# Altium PCB Carte_Mere_light.PcbDoc (part 1 of 3) (continued)
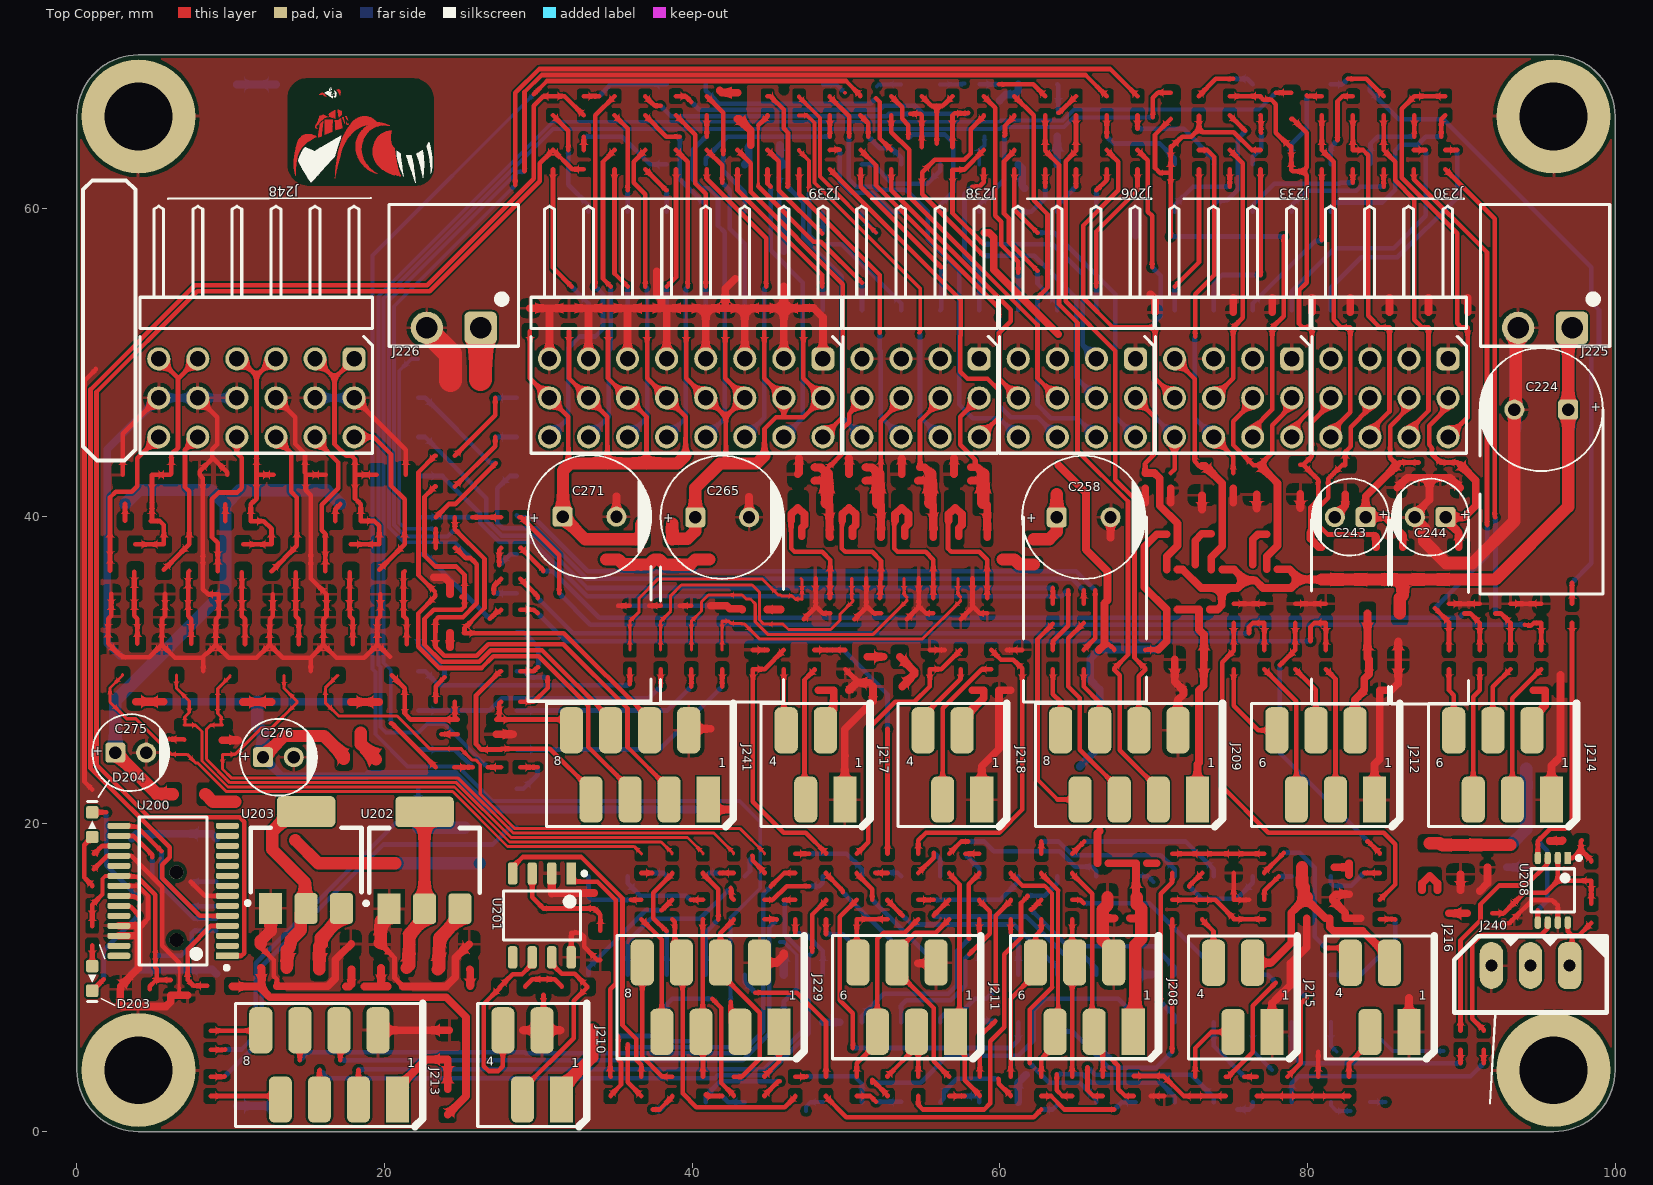
[diagram p0: Top Copper view]
## Classes and differential pairs (continued)
net class DE0: ANALOG_IN0 ANALOG_IN1 ANALOG_IN2 ANALOG_IN3 ANALOG_IN4 ANALOG_IN5 ANALOG_IN6 ANALOG_IN7 GND GPIO_00_D3 GPIO_0_IN0_A8 GPIO_0_IN1_B8 GPIO_01_C3 GPIO_1_IN0_T9 GPIO_1_IN1_R9 GPIO_02_A2 GPIO_2_IN0_E15 GPIO_2_IN1_E16 GPIO_2_IN2_M16 GPIO_03_A3 GPIO_04_B3 GPIO_05_B4 GPIO_06_A4 GPIO_07_B5 GPIO_08_A5 GPIO_09_D5 GPIO_010_B6 GPIO_10_F13 GPIO_011_A6 GPIO_11_T15 GPIO_012_B7 GPIO_12_T14 GPIO_013_D6 GPIO_13_T13 GPIO_014_A7 GPIO_14_R13 GPIO_015_C6 GPIO_15_T12 GPIO_016_C8 GPIO_16_R12 GPIO_017_E6 GPIO_018_E7 GPIO_18_T10 GPIO_019_D8 GPIO_19_R11 GPIO_20_A14 GPIO_020_E8 GPIO_21_B16 GPIO_021_F8 GPIO_22_C14 GPIO_022_F9 GPIO_23_C16 GPIO_023_E9 GPIO_024_C9 GPIO_24_C15 GPIO_025_D9 GPIO_25_D16 GPIO_26_D15 GPIO_026_E11 GPIO_27_D14 GPIO_027_E10 GPIO_028_C11 GPIO_28_F15 GPIO_029_B11 GPIO_29_F16 GPIO_030_A12 GPIO_031_D11 GPIO_032_D12 GPIO_033_B12 GPIO_110_P11 GPIO_111_R10 GPIO_112_N12 GPIO_113_P9 GPIO_114_N9 GPIO_115_N11 GPIO_116_L16 GPIO_117_K16 GPIO_118_R16 GPIO_119_L15 GPIO_120_P15 GPIO_121_P16 GPIO_122_R14 GPIO_123_N16 GPIO_124_N15 GPIO_125_P14 GPIO_126_L14 GPIO_127_N14 GPIO_128_M10 GPIO_129_L13 GPIO_130_J16 GPIO_131_K15 GPIO_132_J13 GPIO_133_J14 GPIO_210_F14 GPIO_211_G16 GPIO_212_G15 IRQ_FPGA VCC_3V3_1 VCC_3V3_2 VCC_3V3_3 VCC_5V_1 VCC_5V_2
net class CLAVIER: AU_STATUS GND GPIO_1_IN0_T9 GPIO_1_IN1_R9 GPIO_10_F13 GPIO_11_T15 LED_CLAVIER NRST NRST_NUCLEO PA12 PC5 PC6 PC8 PC9 SW_1 SW_2 SW_3 SW_TIRETTE
net class CAPT_INT: 3L_CAP CAP_#A CAP_#B CAP_#C CaptTOR_7 CaptTOR_8 CaptTOR_9 CaptTOR_10 CaptTOR_11 CaptTOR_12 GND GPIO_12_T14 GPIO_13_T13 GPIO_14_R13 GPIO_15_T12 GPIO_16_R12 GPIO_211_G16 NetC278_1 NetC281_1 NetC282_1 NetC284_1 NetC287_1 NetC288_1 SigCAPT_7 SigCAPT_8 SigCAPT_9 SigCAPT_10 SigCAPT_11 SigCAPT_12
net class CAPT_EXT: 3L 3L_CAP CaptTOR_1 CaptTOR_2 CaptTOR_3 CaptTOR_4 CaptTOR_5 CaptTOR_6 GND GPIO_2_IN0_E15 GPIO_2_IN1_E16 GPIO_2_IN2_M16 GPIO_20_A14 GPIO_210_F14 GPIO_212_G15 PA0 PA1
net class CAN: 5L CAN_Rx CAN_Tx CANH CANL GND NetC213_1 NetU201_5 PB8 PB9
net class ALIM_OUT: 5L 5L_EXT_1 5L_EXT_2 5L_EXT_3 5L_EXT_4 EXT_IO_1 EXT_IO_2 EXT_IO_3 EXT_IO_4 EXT_IO_5 EXT_IO_6 EXT_IO_7 EXT_IO_8 EXT_IO_9 EXT_IO_10 GND
net class ALIM_IN: 5L 5P GND
net class 3L: 3L 5L GND NetC228_1 NetC229_1
net class 3L_ADC: 3L_ADC 5L GND NetC225_1 NetC226_1
differential pair USB: +USB_P -USB_N

## Components (designator, comment, footprint, x,y, rotation, side; value= is the part's Value field where it differs from the comment)
C224 "470 uF" WCAP-ATG8_8x11.5x3.5x0.5 95.2,46.94 r0 top locked
C243 "100 uF" WCAP-ATG8_5x11x2x0.5 82.78,39.95 r0 top locked
C244 "100 uF" WCAP-ATG8_5x11x2x0.5 87.98,39.95 r0 top locked
C258 "470 uF" WCAP-ATG8_8x11.5x3.5x0.5 65.45,39.94 r180 top locked
C265 "470 uF" WCAP-ATG8_8x11.5x3.5x0.5 41.95,39.94 r180 top locked
C271 "470 uF" WCAP-ATG8_8x11.5x3.5x0.5 33.326,39.98 r180 top locked
C275 "10 uF" WCAP-ATG8_5x11x2x0.5 3.5,24.64 r180 top locked
C276 "10 uF" WCAP-ATG8_5x11x2x0.5 13.1,24.34 r180 top locked
D203 "150060YS75000" SMCW_0603 0.995,9.959 r90 top value=Jaune
D204 "150060YS75000" SMCW_0603 0.995,19.959 r270 top value=Jaune
H200 "9774100960" 9774100960 96,4 r0 bottom locked value=3.3x10
H201 "9774100960" 9774100960 96,66 r0 bottom locked value=3.3x10
H202 "9774100960" 9774100960 4,4 r0 bottom locked value=3.3x10
H203 "9774100960" 9774100960 4,66 r0 bottom locked value=3.3x10
J200 "610004243021" 610004243021_NO-HOLE 92.95,20.4 r180 bottom locked value=4
J201 "610020243021" 610020243021_NO-HOLE 70.09,13.41 r0 bottom locked value=20
J202 "610020243021" 610020243021_NO-HOLE 70.09,56.59 r180 bottom locked value=20
J203 "610020243021" 610020243021_NO-HOLE 44.69,13.41 r0 bottom locked value=20
J204 "610020243021" 610020243021_NO-HOLE 44.69,56.59 r180 bottom locked value=20
J205 "610026243021" 610026243021_NO-HOLE 25.386,35 r270 bottom locked value=26
J206 "TSW-104-08-F-T-RA" TSW-104-08-F-T-RA 65.01,47.7 r180 top locked
J207 "65100516121" 65100516121 5.195,14.659 r90 bottom locked value=5
J208 "690367280676" 690367280676 65.5,8.74 r0 top locked value=6
J209 "690367280876" 690367280876 68.4,23.84 r0 top locked value=8
J210 "690367280476" 690367280476 29.6,4.34 r0 top locked value=4
J211 "690367280676" 690367280676 53.945,8.74 r0 top locked value=6
J212 "690367280676" 690367280676 81.184,23.84 r0 top locked value=6
J213 "690367280876" 690367280876 16.4,4.34 r0 top locked value=8
J214 "690367280676" 690367280676 92.684,23.84 r0 top locked value=6
J215 "690367280476" 690367280476 75.795,8.73 r0 top locked value=4
J216 "690367280476" 690367280476 84.695,8.73 r0 top locked value=4
J217 "690367280476" 690367280476 48.019,23.84 r0 top locked value=4
J218 "690367280476" 690367280476 56.919,23.84 r0 top locked value=4
J219 "61000421821" 61000421821 11.67,65.48 r180 bottom locked value=4
J220 "61000421821" 61000421821 11.67,4.52 r180 bottom locked value=4
J221 "61004021821" 61004021821 62.47,65.48 r0 bottom locked value=40
J222 "61004021821" 61004021821 62.47,4.52 r0 bottom locked value=40
J225 "691322110002" 691322110002 95.45,55.66 r180 top locked value=2
J226 "691322110002" 691322110002 24.5,55.66 r180 top locked value=2
J229 "690367280876" 690367280876 41.2,8.74 r0 top locked value=8
J230 "TSW-104-08-F-T-RA" TSW-104-08-F-T-RA 85.33,47.7 r180 top locked
J233 "TSW-104-08-F-T-RA" TSW-104-08-F-T-RA 75.17,47.7 r180 top locked
J238 "TSW-104-08-F-T-RA" TSW-104-08-F-T-RA 54.85,47.7 r180 top locked
J239 "TSW-104-08-F-T-RA" TSW-108-08-F-T-RA 39.61,47.7 r180 top locked
J240 "22-03-5035" 20-03-5035 94.5,10.16 r0 top locked
J241 "690367280876" 690367280876 36.6,23.84 r0 top locked value=8
J248 "TSW-106-08-F-T-RA" TSW-106-08-F-T-RA 11.67,47.7 r180 top locked
U200 "FT232RL" SSOP28 6.255,15.655 r180 top
U201 "MCP2551-I/SN" SOIC127P600X175-8N 30.235,14.055 r270 top
U202 "ZLDO1117G33TA" SOT223 22.6,17.64 r90 top locked value=3.3V
U203 "ZLDO1117G33TA" SOT223 14.9,17.66 r90 top locked value=3.3V
U208 "MAX485CUA+" MSOP-8 95.95,15.69 r270 top

## Footprints (in the part's own frame and the unit in brackets; to place one, negate y for a bottom-side part, rotate by r counter-clockwise, add the part's x,y. Pads: shape width x height; smd on the part's side, far side on the other; paste and mask are expansions set on the pad)
20-03-5035 [mil]
  rrect70% 60x120 hole 31.5: 1(100,25)
  oval 60x120 hole 31.5: 2(0,25) 3(-100,25)
  silkscreen extent -195,-95 195,100, body extent -195,-96 194,97, height 234
9774100960 [mm] "SMT Steel Spacer Internal hole diameter 3.3mm non stop, height 10mm"
  round 7.4 hole 4.4: 1(0,0)
  body extent -3,-3 3,3, height 10
61000421821 [mm] "Socket Header, Pitch 2.54 mm, SMT, Vertical, dual row, 4p"
  rect 1x1.8 smd: 1(1.27,-2.6)
  rrect30% 1x1.8 smd: 2(1.27,2.6) 3(-1.27,-2.6) 4(-1.27,2.6)
  silkscreen extent -2.87,-2.62 2.87,2.62, body extent -2.54,-3.35 2.54,3.35, height 8.5
61004021821 [mm] "Socket Header, Pitch 2.54 mm, SMT, Vertical, dual row, 40p"
  rect 1x1.8 smd: 1(-24.13,2.6)
  rrect30% 1x1.8 smd: 2(-24.13,-2.6) 3(-21.59,2.6) 4(-21.59,-2.6) 5(-19.05,2.6) 6(-19.05,-2.6) 7(-16.51,2.6) 8(-16.51,-2.6) 9(-13.97,2.6) 10(-13.97,-2.6) 11(-11.43,2.6) 12(-11.43,-2.6) 13(-8.89,2.6) 14(-8.89,-2.6) 15(-6.35,2.6) 16(-6.35,-2.6) 17(-3.81,2.6) 18(-3.81,-2.6) 19(-1.27,2.6) 20(-1.27,-2.6) 21(1.27,2.6) 22(1.27,-2.6) 23(3.81,2.6) 24(3.81,-2.6) 25(6.35,2.6) 26(6.35,-2.6) 27(8.89,2.6) 28(8.89,-2.6) 29(11.43,2.6) 30(11.43,-2.6) 31(13.97,2.6) 32(13.97,-2.6) 33(16.51,2.6) 34(16.51,-2.6) 35(19.05,2.6) 36(19.05,-2.6) 37(21.59,2.6) 38(21.59,-2.6) 39(24.13,2.6) 40(24.13,-2.6)
  silkscreen extent -25.73,-2.62 25.73,2.62, body extent -25.4,-3.35 25.4,3.35, height 7.5
65100516121 [mm] "Mini USB 2.0 Type B SMT Horizontal 5 Contacts"
  rrect30% 0.5x2.5 smd: 1(-1.6,3.875)
  rrect70% 0.5x2.5 smd: 2(-0.8,3.875) 3(0,3.875) 4(0.8,3.875) 5(1.6,3.875)
  round 0.9 hole 0.9 unplated: MH1(-2.2,1.275) MH2(2.2,1.275)
  rrect50% 2x2.5 smd: S1(-4.4,3.875) S2(4.4,3.875) S3(4.4,-1.625) S4(-4.4,-1.625)
  silkscreen extent -3.85,-4.62 3.85,4.62, body extent -4.8,-4.62 4.8,4.63, height 3.92
610004243021_NO-HOLE [mm] "Socket Header, Pitch 2.54 mm, SMT, Vertical, dual row, 4p"
  rect 0.9x1.8 smd: 1(-1.27,-3.2)
  rrect30% 0.9x1.8 smd: 2(-1.27,3.2) 3(1.27,-3.2) 4(1.27,3.2)
  silkscreen extent -2.69,-2.57 2.69,2.58, body extent -2.54,-3.6 2.54,3.6, height 3.7
610020243021_NO-HOLE [mm] "Socket Header, Pitch 2.54 mm, SMT, Vertical, dual row, 20p"
  rect 0.9x1.8 smd: 1(-11.43,-3.2)
  rrect30% 0.9x1.8 smd: 2(-11.43,3.2) 3(-8.89,-3.2) 4(-8.89,3.2) 5(-6.35,-3.2) 6(-6.35,3.2) 7(-3.81,-3.2) 8(-3.81,3.2) 9(-1.27,-3.2) 10(-1.27,3.2) 11(1.27,-3.2) 12(1.27,3.2) 13(3.81,-3.2) 14(3.81,3.2) 15(6.35,-3.2) 16(6.35,3.2) 17(8.89,-3.2) 18(8.89,3.2) 19(11.43,-3.2) 20(11.43,3.2)
  silkscreen extent -12.85,-2.57 12.85,2.58, body extent -12.7,-3.6 12.7,3.6, height 3.7
610026243021_NO-HOLE [mm] "Socket Header, Pitch 2.54 mm, SMT, Vertical, dual row, 26p"
  rect 0.9x1.8 smd: 1(-15.24,-3.2)
  rrect30% 0.9x1.8 smd: 2(-15.24,3.2) 3(-12.7,-3.2) 4(-12.7,3.2) 5(-10.16,-3.2) 6(-10.16,3.2) 7(-7.62,-3.2) 8(-7.62,3.2) 9(-5.08,-3.2) 10(-5.08,3.2) 11(-2.54,-3.2) 12(-2.54,3.2) 13(0,-3.2) 14(0,3.2) 15(2.54,-3.2) 16(2.54,3.2) 17(5.08,-3.2) 18(5.08,3.2) 19(7.62,-3.2) 20(7.62,3.2) 21(10.16,-3.2) 22(10.16,3.2) 23(12.7,-3.2) 24(12.7,3.2) 25(15.24,-3.2) 26(15.24,3.2)
  silkscreen extent -16.66,-2.57 16.66,2.58, body extent -16.51,-3.6 16.51,3.6, height 3.7
690367280476 [mm] "4 pins, SMT, straight, without Latch"
  rect 1.5x3 smd: 1(1.905,-2.25)
  rrect50% 1.5x3 smd: 2(0.635,2.25) 3(-0.635,-2.25) 4(-1.905,2.25)
  silkscreen extent -3.54,-4 3.54,4, body extent -3.54,-5 3.54,3.5, height 5.7
690367280676 [mm] "6 pins, SMT, straight, without Latch"
  rect 1.5x3 smd: 1(3.175,-2.25)
  rrect50% 1.5x3 smd: 2(1.905,2.25) 3(0.635,-2.25) 4(-0.635,2.25) 5(-1.905,-2.25) 6(-3.175,2.25)
  silkscreen extent -4.81,-4 4.81,4, body extent -4.81,-5 4.81,3.5, height 5.75
690367280876 [mm] "8 pins, SMT, straight, without Latch"
  rect 1.5x3 smd: 1(4.445,-2.25)
  rrect50% 1.5x3 smd: 2(3.175,2.25) 3(1.905,-2.25) 4(0.635,2.25) 5(-0.635,-2.25) 6(-1.905,2.25) 7(-3.175,-2.25) 8(-4.445,2.25)
  silkscreen extent -6.08,-4 6.08,4, body extent -6.08,-5 6.08,3.5, height 5.75
691322110002 [mm] "Horizontal PCB Header, pitch 3.5mm, 02p"
  rrect30% 2.1x2.1 hole 1.4: 1(-1.75,3.4)
  round 2.1 hole 1.4: 2(1.75,3.4)
  silkscreen extent -4.2,-4.6 4.2,4.6, body extent -4.2,-4.6 4.2,4.6, height 7.3
MSOP-8 [mm]
  rrect15% 0.8x0.4 smd: 1(-2.1,0.975)
  rrect70% 0.8x0.4 smd: 2(-2.1,0.325) 3(-2.1,-0.325) 4(-2.1,-0.975) 5(2.1,-0.975) 6(2.1,-0.325) 7(2.1,0.325) 8(2.1,0.975)
  silkscreen extent -2.23,-1.4 1.4,1.83, body extent -2.46,-1.5 2.46,1.5, height 1.08
SMCW_0603 [mm] "Chip LED, 2-Leads, Body 1.6x0.8mm, IPC Medium Density"
  rrect30% 0.8x0.8 smd: 1(-0.8,0) 2(0.8,0)
  silkscreen extent -1.5,-0.3 0.25,0.3, body extent -0.8,-0.4 0.8,0.4, height 0.7
SOIC127P600X175-8N [mm] "SOIC, 8-Leads, Body 4,90x3,90mm, Pitch 1,27mm, IPC Medium Density"
  rrect15% 1.45x0.6 smd: 1(-2.725,1.905)
  rrect50% 1.45x0.6 smd: 2(-2.725,0.635) 3(-2.725,-0.635) 4(-2.725,-1.905) 5(2.725,-1.905) 6(2.725,-0.635) 7(2.725,0.635) 8(2.725,1.905)
  silkscreen extent -2.85,-2.5 1.6,2.88, body extent -3,-2.54 3,2.54, height 1.7
SOT223 [mm] "SOT223, 4-Leads, Body 6,7x7,3mm (max), Pitch 2,30mm, IPC Medium Density"
  rect 2x1.5 smd: 1(-3.15,2.3)
  rrect30% 2x1.5 smd: 2(-3.15,0) 3(-3.15,-2.3)
  rrect30% 2x3.8 smd: 4(3.15,0)
  silkscreen extent -2.92,-3.6 2.1,3.92, body extent -3.65,-3.35 3.65,3.35, height 1.82
SSOP28 [mm]
  rrect15% 1.5x0.4 smd: 1(-3.525,4.225)
  rrect70% 1.5x0.4 smd: 2(-3.525,3.575) 3(-3.525,2.925) 4(-3.525,2.275) 5(-3.525,1.625) 6(-3.525,0.975) 7(-3.525,0.325) 8(-3.525,-0.325) 9(-3.525,-0.975) 10(-3.525,-1.625) 11(-3.525,-2.275) 12(-3.525,-2.925) 13(-3.525,-3.575) 14(-3.525,-4.225) 15(3.525,-4.225) 16(3.525,-3.575) 17(3.525,-2.925) 18(3.525,-2.275) 19(3.525,-1.625) 20(3.525,-0.975) 21(3.525,-0.325) 22(3.525,0.325) 23(3.525,0.975) 24(3.525,1.625) 25(3.525,2.275) 26(3.525,2.925) 27(3.525,3.575) 28(3.525,4.225)
  silkscreen extent -3.61,-4.8 2.2,5.13, body extent -3.88,-5.17 3.88,5.17, height 2.11
TSW-104-08-F-T-RA [mm]
  rrect50% 1.5x1.5 hole 1: 1(-3.81,-2.54)
  round 1.5 hole 1: 2(-3.81,0) 3(-3.81,2.54) 4(-1.27,-2.54) 5(-1.27,0) 6(-1.27,2.54) 7(1.27,-2.54) 8(1.27,0) 9(1.27,2.54) 10(3.81,-2.54) 11(3.81,0) 12(3.81,2.54)
  silkscreen extent -5,-12.47 5.04,3.6, body extent -5.08,-12.43 5.08,2.87, height 0.6
TSW-106-08-F-T-RA [mm]
  rrect50% 1.5x1.5 hole 1: 1(-6.35,-2.54)
  round 1.5 hole 1: 2(-6.35,0) 3(-6.35,2.54) 4(-3.81,-2.54) 5(-3.81,0) 6(-3.81,2.54) 7(-1.27,-2.54) 8(-1.27,0) 9(-1.27,2.54) 10(1.27,-2.54) 11(1.27,0) 12(1.27,2.54) 13(3.81,-2.54) 14(3.81,0) 15(3.81,2.54) 16(6.35,-2.54) 17(6.35,0) 18(6.35,2.54)
  silkscreen extent -7.56,-12.47 7.56,3.6, body extent -7.62,-12.43 7.62,2.87, height 0.6
TSW-108-08-F-T-RA [mm]
  rrect50% 1.5x1.5 hole 1: 1(-8.89,-2.54)
  round 1.5 hole 1: 2(-8.89,0) 3(-8.89,2.54) 4(-6.35,-2.54) 5(-6.35,0) 6(-6.35,2.54) 7(-3.81,-2.54) 8(-3.81,0) 9(-3.81,2.54) 10(-1.27,-2.54) 11(-1.27,0) 12(-1.27,2.54) 13(1.27,-2.54) 14(1.27,0) 15(1.27,2.54) 16(3.81,-2.54) 17(3.81,0) 18(3.81,2.54) 19(6.35,-2.54) 20(6.35,0) 21(6.35,2.54) 22(8.89,-2.54) 23(8.89,0) 24(8.89,2.54)
  silkscreen extent -10.1,-12.47 10.1,3.6, body extent -10.16,-12.43 10.16,2.87, height 0.6
WCAP-ATG8_5x11x2x0.5 [mm] "Polarized capacitors, Aluminum Electrolytic Capacitors, 2-Leads, Body 5x11x2x0.5"
  rrect30% 1.3x1.3 hole 0.8: 1(1,0)
  round 1.3 hole 0.8: 2(-1,0)
  silkscreen extent -2.51,-2.5 2.5,2.5, body extent -2.49,-2.5 2.48,2.49, height 11.11
WCAP-ATG8_8x11.5x3.5x0.5 [mm] "Polarized capacitors, Aluminum Electrolytic Capacitors, 2-Leads, Body 8x11.5x3.5x0.5"
  rrect30% 1.3x1.3 hole 0.8: 1(1.75,0)
  round 1.3 hole 0.8: 2(-1.75,0)
  silkscreen extent -4,-4 4,4, body extent -3.99,-4 3.97,3.98, height 11.61

## Part data
C224 C258 C265 C271: library part "WCAP-ATG8, 860010374012", "CAP Alu 470 UF 20% 16 V", Manufacturer="Wurth Elektronik", Manufacturer Part Number=860010374012, RatedVoltage=16V, ComponentLink1Description=Datasheet, ComponentLink1URL=http://katalog.we-online.de/pbs/datasheet/860010374012.pdf, Size=8mmx11.5mm
C243 C244: library part "WCAP-ATG8, 860010372006", "CAP Alu 100 UF 20% 16 V", Manufacturer="Wurth Elektronik", Manufacturer Part Number=860010372006, RatedVoltage=16V, ComponentLink1Description=Datasheet, ComponentLink1URL=http://katalog.we-online.de/pbs/datasheet/860010372006.pdf, Size=5mmx11mm
C275 C276: library part "WCAP-ATG8, 860010672009", "CAP Alu 10 UF 20% 50 V", Manufacturer="Wurth Elektronik", Manufacturer Part Number=860010672009, RatedVoltage=50V, ComponentLink1Description=Datasheet, ComponentLink1URL=http://katalog.we-online.de/pbs/datasheet/860010672009.pdf, Size=5mmx11mm
D203 D204: library part "WL-SMCW 0603  150060YS75000", "SMD mono-color Chip LED, WL-SMCW, Yellow", Manufacturer="Wurth Elektronik", SUPPLIER PART NUMBER 1=2322074, ComponentLink1Description=Datasheet, ComponentLink1URL=http://katalog.we-online.com/led/datasheet/150060YS75000.pdf, Manufacturer Part Number=150060YS75000, SUPPLIER 1=Farnell, SUPPLIER 2=JLCPCB, Supplier Footprint 2=LED_0603, SUPPLIER PART NUMBER 2=C72038
H200 H201 H202 H203: "WA-SMST SMT Steel Spacer with through hole, OD6mm, ID3.3xL10mm", Manufacturer="Wurth Elektronik", SUPPLIER PART NUMBER 1=2497637, ComponentLink1Description=Manufacturer, ComponentLink1URL=https://www.we-online.com/catalog/en/SMST_SMD_STEEL_SPACER_3_3_INTERNAL_NON_STOP/#9774100960, ComponentLink2Description=Datasheet, ComponentLink2URL=https://www.we-online.com/catalog/datasheet/9774100960.pdf, Manufacturer Part Number=9774100960, SUPPLIER 1=Farnell
J200: "WR-PHD Socket Header, SMT, pitch 2.54mm, Dual Row, Vertical, 4p", Manufacturer="Wurth Elektronik", SUPPLIER PART NUMBER 1=2827931, ComponentLink1Description=Datasheet, ComponentLink1URL=https://www.we-online.com/catalog/datasheet/610004243021.pdf, Manufacturer Part Number=610004243021, SUPPLIER 1=Farnell
J201 J202 J203 J204: "WR-PHD Socket Header, SMT, pitch 2.54mm, Dual Row, Vertical, 20p", Manufacturer="Wurth Elektronik", SUPPLIER PART NUMBER 1=2827937, ComponentLink1Description=Datasheet, ComponentLink1URL=https://www.we-online.com/catalog/datasheet/610020243021.pdf, Manufacturer Part Number=610020243021, SUPPLIER 1=Farnell
J205: "WR-PHD Socket Header, SMT, pitch 2.54mm, Dual Row, Vertical, 26p", Manufacturer="Wurth Elektronik", SUPPLIER PART NUMBER 1=2827940, ComponentLink1Description=Datasheet, ComponentLink1URL=https://www.we-online.com/catalog/datasheet/610026243021.pdf, Manufacturer Part Number=610026243021, SUPPLIER 1=Farnell
J206 J230 J233 J238: "CONN HEADER R/A 3L x 4POS 2.54MM", Manufacturer=SAMTEC, SUPPLIER PART NUMBER 1=2053041, ComponentLink1Description=Datasheet, ComponentLink1URL=http://cloud.samtec.com/catalog_english/TSW_TH.PDF, Manufacturer Part Number=TSW-104-08-F-T-RA, SUPPLIER 1=Farnell
J207: "Mini USB 2.0 Type B, Receptacle, Horizontal, SMT", Manufacturer="Wurth Elektronik", SUPPLIER PART NUMBER 1=1642036, ComponentLink1Description=Manufacturer, ComponentLink1URL=https://www.we-online.com/catalog/en/COM_SMT_MINI_TYPE_B_HORIZONTAL/#65100516121, ComponentLink2Description=Datasheet, ComponentLink2URL=https://katalog.we-online.com/em/datasheet/65100516121.pdf, Manufacturer Part Number=65100516121, SUPPLIER 1=Farnell
J208 J211 J212 J214: "WR-MM 6p Female SMT Connector with Polarization", Manufacturer="Wurth Electronics Inc.", SUPPLIER PART NUMBER 1=1641849, ComponentLink1Description=Datasheet, ComponentLink1URL=http://katalog.we-online.de/em/datasheet/69036728xx76.pdf, Manufacturer Part Number=690367280676, SUPPLIER 1=Farnell
J209 J213 J229 J241: "WR-MM 8p Female SMT Connector with Polarization", Manufacturer="Wurth Electronics Inc.", SUPPLIER PART NUMBER 1=1641850, ComponentLink1Description=Datasheet, ComponentLink1URL=http://katalog.we-online.de/em/datasheet/69036728xx76.pdf, Manufacturer Part Number=690367280876, SUPPLIER 1=Farnell
J210 J215 J216 J217 J218: "WR-MM 4p Female SMT Connector with Polarization", Manufacturer="Wurth Electronics Inc.", SUPPLIER PART NUMBER 1=1641848, ComponentLink1Description=Datasheet, ComponentLink1URL=http://katalog.we-online.de/em/datasheet/69036728xx76.pdf, Manufacturer Part Number=690367280476, SUPPLIER 1=Farnell
J219 J220: "WR-PHD Socket Header, SMT, pitch 2.54mm, Dual Row, Vertical, 4p", Manufacturer="Wurth Elektronik", SUPPLIER PART NUMBER 1=2827865, ComponentLink1Description=Datasheet, ComponentLink1URL=https://www.we-online.com/catalog/datasheet/61000421821.pdf, Manufacturer Part Number=61000421821, SUPPLIER 1=Farnell
J221 J222: "WR-PHD Socket Header, SMT, pitch 2.54mm, Dual Row, Vertical, 40p", Manufacturer="Wurth Elektronik", SUPPLIER PART NUMBER 1=2827882, ComponentLink1Description=Datasheet, ComponentLink1URL=https://www.we-online.com/catalog/datasheet/61004021821.pdf, Manufacturer Part Number=61004021821, SUPPLIER 1=Farnell
J225 J226: "WR-TBL 2p Series 3221 - 3.50 mm Horizontal PCB Header", Manufacturer="Wurth Electronics Inc.", SUPPLIER PART NUMBER 1=1841315, ComponentLink1Description=Datasheet, ComponentLink1URL=http://katalog.we-online.de/em/datasheet/6913221100xx.pdf, Manufacturer Part Number=691322110002, SUPPLIER 1=Farnell
J239: library part TSW-108-08-F-T-RA, "CONN HEADER R/A 3L x 8POS 2.54MM", Manufacturer=SAMTEC, SUPPLIER PART NUMBER 1=2053046, ComponentLink1Description=Datasheet, ComponentLink1URL=http://cloud.samtec.com/catalog_english/TSW_TH.PDF, Manufacturer Part Number=TSW-104-08-F-T-RA, SUPPLIER 1=Farnell
J240: library part 20-03-5035, "CONN HEADER VERT 3POS 2.5MM", Manufacturer=MOLEX, SUPPLIER PART NUMBER 1=9979620, ComponentLink1Description=Datasheet, ComponentLink1URL=http://www.farnell.com/datasheets/1801024.pdf, ComponentLink2Description=Drawings, ComponentLink2URL="http://www.farnell.com/cad/495071.pdf  http://www.farnell.com/cad/1533907.pdf  http://www.farnell.com/cad/1533907.pdf", Manufacturer Part Number=22-03-5035, SUPPLIER 1=Farnell
J248: "CONN HEADER R/A 3L x 6POS 2.54MM", Manufacturer=SAMTEC, SUPPLIER PART NUMBER 1=2053043, ComponentLink1Description=Datasheet, ComponentLink1URL=http://cloud.samtec.com/catalog_english/TSW_TH.PDF, Manufacturer Part Number=TSW-106-08-F-T-RA, SUPPLIER 1=Farnell
U200: "USB VERS UART CMS SSOP28 232", Manufacturer=FTDI, SUPPLIER PART NUMBER 1=1146032, ComponentLink1Description=Datasheet, ComponentLink1URL=http://www.farnell.com/datasheets/2007793.pdf, Manufacturer Part Number=FT232RL, SUPPLIER 1=Farnell, SUPPLIER 2=JLCPCB, Supplier Footprint 2=SSOP-28_5.3x10.2x0.65P, SUPPLIER PART NUMBER 2=C8690
U201: "IC TRANSCEIVER CAN HI-SPD 8-SOIC", Manufacturer="Microchip Technology", SUPPLIER PART NUMBER 1=9758569, ComponentLink1Description=Datasheet, ComponentLink1URL=http://www.farnell.com/datasheets/657417.pdf, Manufacturer Part Number=MCP2551-I/SN, SUPPLIER 1=Farnell, SUPPLIER 2=JLCPCB, Supplier Footprint 2=SOIC-8_3.9x4.9x1.27P, SUPPLIER PART NUMBER 2=C7439
U202 U203: "LDO 3.3V 1A SOT223-3", Manufacturer="Diodes Inc.", SUPPLIER PART NUMBER 1=1825376, ComponentLink1Description=Datasheet, ComponentLink1URL=http://www.farnell.com/datasheets/1769101.pdf, ComponentLink2Description=Manufacturer, ComponentLink2URL=https://www.diodes.com/part/view/ZLDO1117, Manufacturer Part Number=ZLDO1117G33TA, SUPPLIER 1=Farnell, SUPPLIER 2=JLCPCB, Supplier Footprint 2=SOT-223, SUPPLIER PART NUMBER 2=C6186, Type=LDO
U208: "IC TXRX RS485/RS422 8-UMAX", Manufacturer="Maxim Integrated", SUPPLIER PART NUMBER 1=2511735, ComponentLink1Description=Datasheet, ComponentLink1URL=http://datasheets.maximintegrated.com/en/ds/MAX1487-MAX491.pdf, Manufacturer Part Number=MAX485CUA+, SUPPLIER 1=Farnell

## Nets (pads, with @x,y where several pads share a name; then routed paths per layer and width w, separated by ;. In a path a pad name is that pad's centre, name@x,y a point inside that pad or via, vN(x,y) a via of type N, cw(c..) or ccw(c..) an arc to the next point about the centre after c; other vN are vias at no path point)
3L:  | length 79.3
  Top Copper w0.3: 54.925,67.315 55.55,66.69 55.9,66.69 ; 55.9,64.24 55.9,66.69 ; 56.925,67.315 56.3,66.69 55.9,66.69 ; 66.8,31.665 67.099,31.665 67.224,31.54 67.275,31.54 67.45,31.365 67.45,31.315 ; 69.45,31.315 69.475,31.34 70.3,31.34
  Top Copper w0.5: 10.12,9.461 10.141,9.44 11,9.44 11.986,9.44 12.007,9.461 ; 11.975,10.661 12.007,10.629 12.007,9.461 ; 24.1,1.115 25.3,2.315 25.3,7.44 24,8.74 12.538,8.74 12.007,9.271 12.007,9.461 ; 59,58.44 59.3,58.44 59.6,58.14 59.6,56.04 63.8,51.84 ; 63.814,43.326 65.6,41.54 65.6,37.84 67,36.44 67,34.54 66.8,34.34 66.8,31.665 66.45,31.315 ; 66.35,17.44 66.35,19.39 66.5,19.54 ; 70.3,31.34 70.85,31.89 70.85,33.94 70.85,33.944 69.4,35.394 69.4,38.034 70.206,38.84 70.85,38.84
  Top Copper w0.8: 18.45,25.94 18.45,25.19 19.45,24.19
  Bottom Copper w0.5: 65.2,23.74 66.5,25.04 66.5,28.74 65.873,29.367 65.873,30.738 66.45,31.315 66.475,31.34 70.3,31.34
3L_ADC:  | length 12.5
  Top Copper w0.3: 6,25.54 6.032,25.507 6.938,25.507 6.971,25.475 ; 23.705,25.84 24.755,25.84
  Top Copper w0.5: 18.7,9.44 19.4,9.44 20.2,9.44 20.16,9.48 19.775,9.48 19.775,10.64 ; 24.25,31.497 24.25,32.44 ; 44.877,33.942 45.748,33.942 45.75,33.94 ; 72.7,36.845 72.7,38.423 73.138,38.861 73.75,38.861 ; 76.45,36.87 76.45,38.511 76.783,38.844 77.352,38.844
3L_CAP: C276.1 J241.1 | length 63.6
  Top Copper w0.5: 3.825,27.95 4.73,27.95 5.655,27.95 ; 10.805,27.93 12.655,27.93 ; 17.805,27.93 19.655,27.93 ; J241.1@41.045,21.59 41.045,21.395 41.5,20.94 42.5,20.94
  Top Copper w0.8: C276.1@12.1,24.34 13.48,25.72 16.07,25.72 17.35,24.44 17.35,24.24
  Bottom Copper w0.5: 4.73,27.95 11.73,27.95 18.73,27.95 ; C276.1@12.1,24.34 13.33,23.11 18.8,23.11 18.955,23.265 24.575,23.265 26.9,20.94 42.5,20.94
  Bottom Copper w0.8: 11.73,27.95 11.73,26.33 12.1,25.96 C276.1@12.1,24.34
3L_FT232: U200.4 | length 6.7
  Top Copper w0.3: 8.47,9.484 7.57,9.484 7.195,9.859 7.195,11.869 8.706,13.38 U200.4@9.78,13.38
3L_MOT: J213.1 | length 6.8
  Top Copper w0.3: 24.1,4.59 24.2,4.69
  Top Copper w0.5: J213.1@20.845,2.09 20.845,2.84 22.695,4.69 24.1,4.69 24.1,4.59 24.1,2.765
3V3_FT232: U200.17 | length 1.9
  Top Copper w0.3: 1.095,18.059 1.12,18.059 1.641,18.58 U200.17@2.73,18.58
5L: C224.1 J210.1 J225.1 U201.3 | length 92.3
  Top Copper w0.3: U201.3@29.6,16.78 29.6,15.24 30.33,14.51 33.635,14.51 34.035,14.11 34.035,13.06
  Top Copper w0.5: 17.5,9.44 17.7,9.44 17.85,9.59 17.85,10.561 ; 25.55,10.54 25.575,10.515 25.575,9.465 ; 41.8,67.69 41.943,67.547 42.95,67.547 ; 51.4,30.869 52.45,30.869 ; 69.55,17.44 70.2,17.44 ; 71.55,36.54 71.895,36.54 73.095,35.34 74.425,35.34 ; 73.65,33.94 74.152,33.94 74.425,34.213 74.425,35.34 ; 74.45,36.54 75.25,36.54 75.95,35.84 ; 78.052,36.564 78.836,36.564 79.5,35.9 ; 80.93,35.9 79.5,35.9 ; 81.75,17.19 82.45,17.19 ; 82.7,16.69 82.7,17.44 ; 87.45,15.69 87.45,16.14 87.95,16.64 88.45,16.14 88.45,15.69 ; 89.2,14.19 90.375,14.19 ; 74.425,35.34 75.45,35.34 75.95,35.84 ; 75.95,35.84 76.609,35.84 77.109,35.34 78.94,35.34 79.5,35.9
  Top Copper w0.8: 8.35,21.94 8.85,21.44 9.6,21.44 10.3,21.44 ; 14.2,18.94 15.7,17.44 20.7,17.44 ; J210.1@31.505,2.09 31.505,2.84 33.5,4.835 33.5,5.74 33.5,6.64 ; 80.93,35.9 80.935,35.895 84.445,35.895 84.45,35.89 86.15,35.89 ; 86,33.69 86,34.69 86.2,34.89 86.2,35.84 86.15,35.89 ; J225.1@97.2,52.26 96.95,52.01 C224.1@96.95,46.94 96.95,40.632 92.218,35.9 89.83,35.9 89.825,35.895 86.205,35.895 86.2,35.89 86.15,35.89
  Bottom Copper w0.8: 20.7,17.44 26.2,17.44 ; J225.1@96.95,52.01 C224.1@96.95,46.94 97,46.89 97,45.74
5L_CAP: C275.1 | length 42.9
  Top Copper w0.3: 3.13,39.725 3.13,40.8 ; 9.655,39.7 9.655,40.775 ; 16.805,39.7 16.805,40.475 17.13,40.8
  Top Copper w0.8: C275.1@2.5,24.64 5.2,21.94 6.25,21.94
  Bottom Copper w0.8: C275.1@2.5,24.64 2.5,28.04 9.655,35.195 9.655,40.775 ; 3.13,40.8 4.041,41.711 8.719,41.711 9.655,40.775 ; 17.13,40.8 16.237,41.693 10.573,41.693 9.655,40.775
5L_DE0: J200.2 | length 11.4
  Top Copper w0.8: 87.95,18.74 88.6,18.74 88.7,18.64 89.95,18.64 93.2,18.64
  Bottom Copper w0.8: 92.45,18.64 93.2,18.64 94.22,19.66 J200.2@94.22,23.6
5L_DYNA: U208.2 | length 10.3
  Top Copper w0.3: 92.025,14.19 92.75,14.19 93.45,14.89 94.1,15.54 95.5,15.54 96.275,16.315 ; U208.2@96.275,17.79 96.275,16.315 ; 98.45,14.815 98.45,16.315 96.275,16.315
5L_ENC_PROP: J215.2 J216.2 | length 16.2
  Top Copper w0.5: J215.2@76.43,10.98 77.64,10.98 78.95,12.29 78.95,13.865 78.95,14.24 79.75,15.04 ; 79.875,15.165 81.175,13.865 81.45,13.865 81.45,13.29 81.7,13.04 83.6,13.04 85.33,11.31 J216.2@85.33,10.98
  Top Copper w0.8: 79.65,17.19 79.65,15.99 79.75,15.89 79.75,15.24 79.95,15.24 79.875,15.165 79.825,15.165
5L_EXT_1: C244.1 J230.2 | length 14
  Top Copper w0.3: C244.1@88.98,39.79 C244.1@88.98,39.95 C244.1@88.99,39.94 ; J230.2@89.14,47.7 89.14,47.13 87.91,45.9 87.91,44.651 88.09,44.471 88.09,44.09 88.09,44.05 88.64,43.5 89.78,43.5 89.93,43.35
  Top Copper w0.5: C244.1@88.98,39.79 89.83,38.94 89.83,38.81 89.83,38 ; C244.1@88.99,39.94 90.2,39.94 90.95,40.69 90.95,41.69 90.95,42.33 89.93,43.35
5L_EXT_2: C243.1 J230.5 | length 14.6
  Top Copper w0.3: J230.5@86.7,47.7 J230.5@86.6,47.7 86.6,47.09 85.37,45.86 85.37,44.19 85.37,43.81 85.83,43.35 85.98,43.5 87.23,43.5
  Top Copper w0.5: 85.83,43.35 84.92,42.44 83.78,41.3 C243.1@83.78,39.95 85.06,39.95 86.2,38.81 86.2,37.99
5L_EXT_3: J230.8 | length 14.6
  Top Copper w0.3: J230.8@84.06,47.7 84.06,47.05 82.815,45.805 82.815,44.555 82.633,44.373 82.45,44.19 82.45,43.34 82.25,43.34 81.35,42.44 81.35,41.203 80.65,40.503 80.65,39.482 81.312,38.82 84.44,38.82 84.44,38.69
  Top Copper w0.5: 84.44,38.69 84.45,37.99
5L_EXT_4: J230.11 | length 11.7
  Top Copper w0.3: 79.53,43.35 79.73,43.35 ; 80.2,38.94 80.2,40.604 80.7,41.104 80.7,42.38 79.73,43.35 ; J230.11@81.52,47.7 81.52,47.36 80.29,46.13 80.29,44.44 80.29,43.91 79.73,43.35
  Top Copper w0.5: 80.2,38.94 80.2,38.544 80.744,38 80.93,38
5L_QEI_MOT: J217.2 J218.2 | length 10.4
  Top Copper w0.5: 48.2,28.69 49.2,28.69 49.2,27.44 48.654,26.894 J217.2@48.654,26.09 ; 53.5,30.869 54.45,29.919 54.45,29.74 53.65,28.94 ; J218.2@57.535,26.109 57.535,26.775 58.95,28.19 58.95,28.69 58.2,28.69
5L_QEI_PROP: J212.2 J214.2 | length 11.7
  Top Copper w0.5: J212.2@83.089,26.09 83.089,28.079 83.7,28.69 83.7,29.44 84,29.74 84,30.69 83.9,30.79 83.9,33.69 ; J214.2@94.589,26.09 94.589,26.829 95.45,27.69 95.45,28.69 94.7,28.69
5P: J226.1 | length 12.8
  Top Copper w0.8: 34.4,37.19 35.2,37.19 35.525,36.865 37.2,36.865 37.525,37.19 37.875,37.19 38.2,36.865 38.7,36.865 38.725,36.84 ; 36.675,36.84 36.7,36.865 ; 38.7,36.86 39.87,36.86 40.2,37.19 41.1,37.19 ; 60.2,37.19 60.95,37.19 61.275,36.865 62.2,36.865
  Top Copper w1.5: 26.25,48.89 J226.1@26.25,52.26
5P_SERVO_A: C258.1 | length 45.1
  Top Copper w0.3: 46.432,39.713 46.432,37.908 46.65,37.69 48.45,37.69 48.976,37.164 48.976,35.96 48.963,35.947 48.963,34.703 48.95,34.69 ; 49.732,39.713 49.732,37.908 49.95,37.69 51.7,37.69 52.276,37.114 52.276,35.96 ; 52.2,34.69 52.238,34.728 52.238,35.872 52.276,35.91 ; 53.132,39.713 53.132,37.908 53.35,37.69 55.176,37.69 55.676,37.19 55.676,35.96 ; 55.676,34.69 55.676,35.91 55.688,35.922 ; 56.632,39.713 56.632,37.908 56.85,37.69 58.657,37.69 59.176,37.171 59.176,35.96 ; 59.176,34.69 59.176,35.91
  Top Copper w0.5: 46.432,39.713 46.432,40.147 46.867,40.54 47.302,40.147 47.302,39.713 47.302,39.442 47.126,39.266 47.126,38.71 ; 49.765,39.713 49.765,40.147 50.2,40.54 50.635,40.147 50.635,39.713 50.635,39.444 50.426,39.235 50.426,38.71 ; 53.188,39.713 53.188,40.147 53.623,40.54 54.058,40.147 54.058,39.713 54.058,39.498 53.826,39.266 53.826,38.71 ; 56.665,39.713 56.665,40.147 57.1,40.54 57.535,40.147 57.535,39.713 57.535,39.444 57.326,39.235 57.326,38.71
  Top Copper w0.8: 62.2,38.515 63.206,38.515 63.7,39.009 C258.1@63.7,39.94 63.7,41.44
5P_SERVO_B: C265.1 J239.2 J239.5 J239.8 J239.11 | length 44.6
  Top Copper w0.3: 39.61,52.03 39.61,48.97 J239.11@40.88,47.7 40.96,47.7 42.19,46.47 ; 42.15,52.03 42.15,48.97 J239.8@43.42,47.7 42.19,46.47 ; 42.19,43.44 42.19,46.47 ; 44.69,52.03 44.69,48.97 J239.5@45.96,47.7 45.96,46.45 ; 44.7,43.94 44.7,45.69 45.45,46.44 47.24,46.44 J239.2@48.5,47.7 47.23,48.97 47.23,52.03
  Top Copper w0.8: 38.7,39.54 38.7,38.515 38.725,38.54 39.7,38.54 40.2,39.04 C265.1@40.2,39.94 40.2,41.84 41.8,43.44 42.19,43.44 44.1,43.44 44.2,43.44 44.7,43.94
5P_SERVO_C: C271.1 J239.14 J239.17 J239.20 J239.23 | length 56.1
  Top Copper w0.3: 29.45,52.03 29.45,48.97 J239.23@30.72,47.7 31.95,46.47 31.95,43.321 ; 31.99,52.03 31.99,48.97 J239.20@33.26,47.7 34.49,46.47 34.49,43.44 ; 34.53,52.03 34.53,48.97 J239.17@35.8,47.7 37.03,46.47 37.03,43.44 ; 37.07,52.03 37.07,48.97 J239.14@38.34,47.7 39.57,46.47 39.57,43.96
  Top Copper w0.8: 31.95,43.321 31.6,42.971 31.6,41.44 31.6,40.004 C271.1@31.576,39.98 33.041,38.515 36.7,38.515 36.7,39.54 ; 32.069,43.44 34.49,43.44 37.03,43.44 39.05,43.44 39.57,43.96
+3V3: J221.11 J221.15 | length 6.3
  Bottom Copper w0.3: J221.11@51.04,62.88 51.76,62.88 53.01,61.63 55.27,61.63 56.12,62.48 J221.15@56.12,62.88
+5V: J221.17 | length 2
  Bottom Copper w0.25: J221.17@58.66,62.88 58.66,63.78 59,64.12 59,64.69
ADC_IN_1:  | length 102.3
  Top Copper w0.3: 26.7,23.69 27.575,23.69 ; 77.95,67.547 78.95,67.547
  Bottom Copper w0.25: 26.7,23.69 23.9,26.49 22.75,26.49 22.2,25.94 20.1,25.94 19.747,26.293 19.747,30.199 19.601,30.345 19.601,54.313 30.942,65.653 59.987,65.653 60.072,65.738 64.114,65.738 64.818,66.442 76.845,66.442 77.95,67.547
ADC_IN_2:  | length 89.4
  Top Copper w0.3: 20.4,26.54 20.475,26.54 23.325,23.69 ; 69.95,65.94 69.95,67.222 70.276,67.547 71.106,67.547
  Bottom Copper w0.25: 20.4,26.54 20.4,30.027 19.941,30.486 19.941,54.172 30.961,65.192 60.007,65.192 60.138,65.323 64.18,65.323 64.797,65.94 69.95,65.94
ANALOG_IN0: J205.24 | length 23.7
  Top Copper w0.3: 8.7,5.315 9.63,5.315 9.655,5.34
  Bottom Copper w0.3: 9.655,5.34 10.7,5.34 11.617,6.257 11.617,10.957 22.186,21.526 J205.24@22.186,22.3
ANALOG_IN1: J205.25 | length 29.4
  Top Copper w0.3: 8.7,3.565 9.575,3.565 9.6,3.59
  Bottom Copper w0.3: 9.6,3.59 12.007,5.997 12.007,10.747 19.925,18.665 27.041,18.665 28.136,19.76 J205.25@28.586,19.76
ANALOG_IN2: J205.22 | length 5.2
  Top Copper w0.3: 24.525,23.69 24.575,23.69 25.725,23.69
  Bottom Copper w0.3: J205.22@22.186,24.84 24.575,24.84 25.725,23.69
ANALOG_IN3: J205.21 | length 16.2
  Top Copper w0.3: 41.95,28.94 41.95,30.065
  Bottom Copper w0.3: J205.21@28.586,24.84 37.85,24.84 41.95,28.94
ANALOG_IN4: J205.23 | length 3.3
  Top Copper w0.3: 28.825,23.69 29.95,23.69
  Bottom Copper w0.3: J205.23@28.586,22.3 29.036,22.3 29.95,23.214 29.95,23.69
ANALOG_IN5: J205.18 | length 15.1
  Top Copper w0.3: 35.95,29.087 35.95,30.065
  Bottom Copper w0.3: J205.18@22.186,29.92 22.636,29.92 23.543,29.013 35.822,29.013 35.896,29.087 35.95,29.087
ANALOG_IN6: J205.19 | length 13.1
  Top Copper w0.3: 39.95,28.94 39.95,30.065
  Bottom Copper w0.3: J205.19@28.586,27.38 38.39,27.38 39.95,28.94
ANALOG_IN7: J205.20 | length 17.5
  Top Copper w0.3: 37.95,28.94 37.95,30.065
  Bottom Copper w0.3: J205.20@22.186,27.38 26.82,27.38 27.62,28.18 37.19,28.18 37.95,28.94
AU_STATUS: J229.8 | length 8.6
  Top Copper w0.3: J229.8@36.755,10.99 36.755,4.885 38.063,3.577 38.7,3.577 38.7,3.565
AVDD: J222.8 | length 6.2
  Bottom Copper w0.25: 45.7,12.34 45.964,12.34 46.8,11.504 46.8,9.284
  Bottom Copper w0.3: J222.8@45.96,7.12 45.96,8.48 45.996,8.48 46.8,9.284
BOOT0: J221.8
CAN_Rx: U201.4 | length 21.1
  Top Copper w0.3: U201.4@28.33,16.78 28.33,17.205 28.98,17.855 32.793,17.855 35.473,15.175 35.473,6.917 36.365,6.025 36.365,4.675 36.7,4.34 36.7,3.565
CAN_Tx: U201.1 | length 15.5
  Top Copper w0.3: U201.1@32.14,16.78 32.14,16.4 32.29,16.25 33.846,16.25 35.035,15.061 35.035,9.607 34.673,9.245 34.673,3.592 34.7,3.565
CANH: J210.3 U201.7 | length 12.5
  Top Copper w0.3: J210.3@28.965,1.99 J210.3@28.965,2.09 28.965,2.74 32.3,6.075 32.3,8.5 33.16,9.36 33.16,9.41 33.16,9.46 32.365,10.255 31.52,10.255 30.87,10.905 U201.7@30.87,11.33
CANL: J210.4 U201.6 | length 12.6
  Top Copper w0.3: J210.4@27.695,6.59 27.695,4.255 27.38,3.94 26.77,3.94 26.45,4.26 26.45,8.3 27.51,9.36 27.51,9.41 28.34,10.24 28.935,10.24 29.6,10.905 U201.6@29.6,11.33
CAP_#A: J248.1 J248.4 | length 19.5
  Top Copper w0.3: J248.4@15.66,50.24 15.66,50.06 16.75,48.97 ; 17.805,38.18 19.655,38.18 19.655,39.385 19.34,39.7 18.455,39.7 18.455,40.785 18.08,41.16 18.08,42.7 ; J248.1@18.02,50.24 16.75,48.97 ; 19.48,42.7 18.08,42.7 ; 16.75,48.97 16.75,44.691 17.511,43.93 17.864,43.93 18.08,43.714 18.08,42.7
CAP_#B: J248.7 J248.10 | length 18.2
  Top Copper w0.3: J248.10@10.58,50.24 11.68,49.14 ; 10.805,38.18 12.655,38.18 12.655,39.19 12.155,39.69 11.361,39.69 11.338,39.713 11.315,39.69 11.305,39.7 11.305,40.775 ; 11.3,40.775 11.68,41.155 11.68,42.7 ; 12.78,42.7 11.68,42.7 ; J248.7@12.78,50.24 11.68,49.14 ; 11.68,42.7 11.68,49.14
CAP_#C: J248.13 J248.16 | length 18.4
  Top Copper w0.3: 3.805,38.18 5.655,38.18 5.655,39.44 5.395,39.7 4.88,39.7 ; 4.805,39.7 4.88,39.7 ; J248.16@5.402,50.24 J248.16@5.32,50.24 6.577,48.983 6.577,48.957 ; J248.13@7.86,50.24 6.577,48.957 ; 4.88,39.7 4.88,40.69 4.88,42.7 6.08,42.7 6.146,42.766 6.146,44.019 6.577,44.45 6.577,48.957